# KiCad board HPPSI02.kicad_pcb (continued)
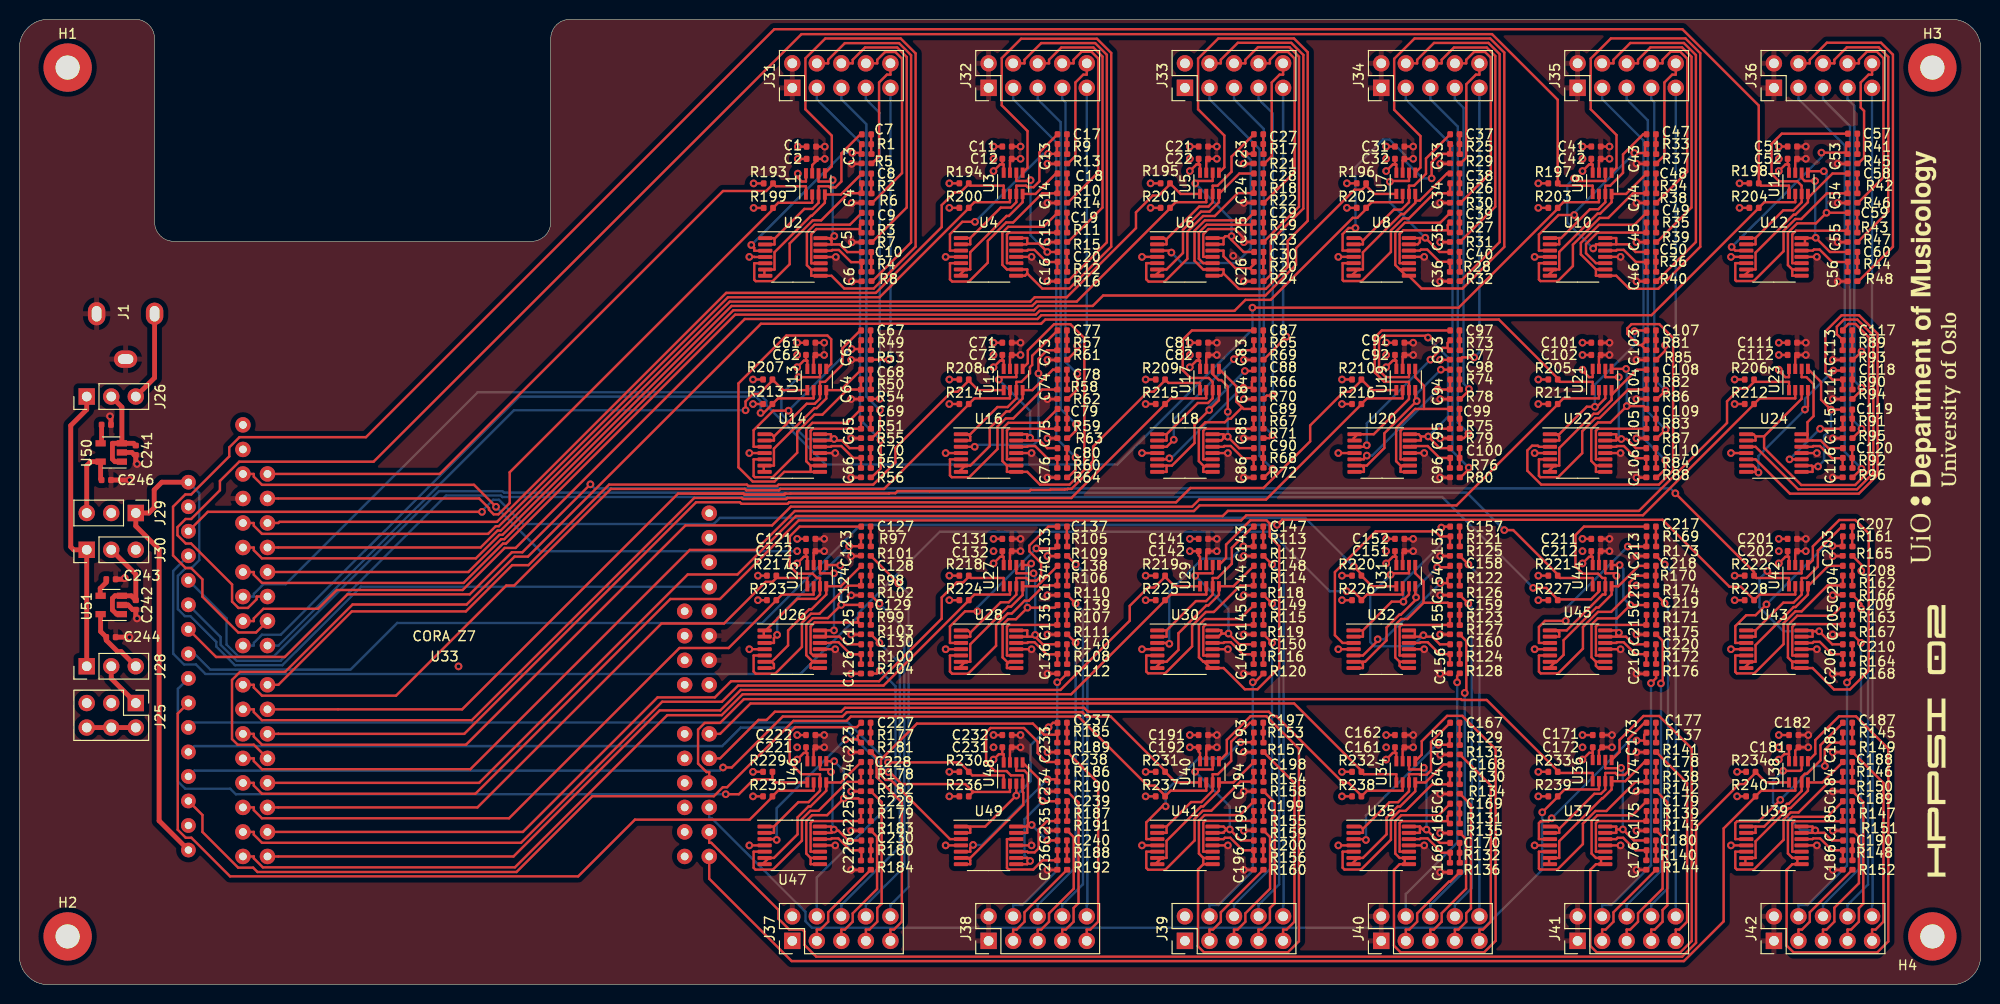
[diagram p0: board, top side]
## Nets (continued)
Net-(C233-Pad1): C233.1 R185.2 U49.3
Net-(C234-Pad1): C234.1 R186.2 U49.5
Net-(C235-Pad1): C235.1 R187.2 U49.10
Net-(C236-Pad1): C236.1 R188.2 U49.12
Net-(C237-Pad1): C237.1 U48.3 U49.1 U49.2
Net-(C237-Pad2): C237.2 R185.1 R189.2
Net-(C238-Pad1): C238.1 U48.4 U49.6 U49.7
Net-(C238-Pad2): C238.2 R186.1 R190.2
Net-(C239-Pad1): C239.1 U48.5 U49.8 U49.9
Net-(C239-Pad2): C239.2 R187.1 R191.2
Net-(C240-Pad1): C240.1 U48.6 U49.13 U49.14
Net-(C240-Pad2): C240.2 R188.1 R192.2
Net-(C241-Pad1): C241.1 J26.2 U50.1 U50.3
Net-(C242-Pad1): C242.1 J30.2 U51.1 U51.3
Net-(C243-Pad1): C243.1 U51.4
Net-(C245-Pad1): C245.1 U50.4
Net-(J33-Pad1): J33.1
Net-(J33-Pad2): J33.2
Net-(J39-Pad1): J39.1
Net-(J39-Pad2): J39.2
Net-(U33-Pad16): U33.16
Net-(U33-Pad35): U33.35
Net-(U33-Pad36): U33.36
Net-(U33-Pad37): U33.37
Net-(U33-Pad38): U33.38
Net-(U33-Pad39): U33.39
Net-(U33-Pad40): U33.40
Net-(U33-Pad41): U33.41
Net-(U33-Pad42): U33.42
Net-(U33-Pad43): U33.43
Net-(U33-Pad44): U33.44
Net-(U33-Pad51): U33.51

Pads without a net: H1 1; H2 1; H3 1; H4 1; U33 17 18 56 57 58

## Via types
v1: diameter 0.8, hole 0.4, Top to Bottom, 509 vias

## Routing (per net, layer and track width the routed paths; a pad name or vN(x,y) marks a point on that pad's centre or on a via; arc(x,y) is an arc through that point)
3V3_CoraZ7: length 120.9
  Top w0.5: U33.74 14.75,52.05 13.96,51.26 13.96,49.42 13.41,48.86 J29.1 12.05,47.51 14.47,45.1 14.47,16.98 U33.59
  Bottom w0.25: U33.55 35.36,41.22 27.23,33.09 22.31,33.09 20.39,35.02 20.39,35.5 17.71,38.18 17.13,38.18 16.41,38.9 16.41,42.35 17.22,43.16 17.81,43.16 18.63,43.98 18.63,50.92 U33.74
3V3_Reg: length 8.5
  Top w0.5: C246.1 8.41,52.38 U50.5 7.38,54.18 6.98,53.77 J29.3
5V_CoraZ7: length 99.5
  Top w0.5: J26.1 6.98,59.58 5.32,57.92 5.32,45.35 5.62,45.05 J30.1 J28.1
  In1.Cu w0.5: U33.54 69.5,40.59 66.28,40.59 58.66,32.97 v1(45.46,32.97)
  In2.Cu w0.5: J28.1 8.27,31.69 15.66,31.69 16.95,32.97 v1(45.46,32.97)
5V_Reg: length 7.1
  Top w0.5: J28.3 10.54,34.5 10.18,34.5 9,35.68 C244.1 8.41,36.58 U51.5
+3V3: length 138.6
  Top w0.25: U17.8 122.2,64.65 122.06,64.65 ; U36.8 162.84,24.02 ; 162.84,24.02 162.49,24.02 v1(161.79,23.32) ; 162.84,24.02 162.84,24.58 C172.1 ; 142.38,44.33 C151.1 ; 142.38,44.33 142.15,44.33 v1(141.47,43.64) ; 142.38,44.33 142.52,44.33 U31.8 ; v1(121.15,63.96) 121.83,64.65 122.06,64.65 ; v1(182.11,65.23) C112.1 ; v1(96.26,39.83) R224.1 ; v1(157.22,19.51) R239.1 ; 183.16,23.89 183.16,24.58 C181.1 ; 183.16,23.89 182.68,23.89 v1(182.11,23.32) ; 183.16,23.89 U38.8 ; U11.8 183.16,84.97 183.02,84.97 ; 142.38,84.97 142.15,84.97 v1(141.47,84.28) ; 142.38,84.97 142.52,84.97 U7.8 ; 142.38,84.97 C32.1 ; v1(76.44,39.83) R223.1 ; U48.8 101.88,23.88 101.74,23.88 ; v1(137.4,83.01) R196.1 ; 81.42,64.65 81.19,64.65 v1(80.51,63.96) ; 81.42,64.65 C62.1 ; 81.42,64.65 81.56,64.65 U13.8 ; v1(121.15,44.91) C142.1 122.06,44.47 122.2,44.33 U29.8 ; 81.42,44.33 81.56,44.33 U25.8 ; 81.42,44.33 C122.1 ; 81.42,44.33 81.19,44.33 v1(80.51,43.64) ; 183.02,44.33 183.16,44.33 U42.8 ; 183.02,44.33 C202.1 ; 183.02,44.33 182.79,44.33 v1(182.11,43.64) ; v1(141.47,63.96) 142.15,64.65 142.38,64.65 ; v1(177.54,62.69) R206.1 ; v1(117.08,80.47) R201.1 ; v1(96.26,19.51) R236.1 ; U5.8 122.2,84.97 122.06,84.97 ; v1(121.15,66.5) C81.1 ; 162.7,44.33 162.47,44.33 v1(161.79,43.64) ; 162.7,44.33 162.84,44.33 U44.8 ; 162.7,44.33 C212.1 ; v1(100.83,63.96) 101.51,64.65 101.74,64.65 ; 142.38,64.65 142.52,64.65 U19.8 ; 142.38,64.65 C92.1 ; v1(116.58,42.37) 117.62,42.37 ; v1(157.22,62.69) R205.1 ; 122.06,84.97 121.83,84.97 v1(121.15,84.28) ; 122.06,84.97 C22.1 ; 81.42,24.01 C221.1 ; 81.42,24.01 81.19,24.01 v1(80.51,23.32) ; 81.42,24.01 81.56,24.01 U46.8 ; v1(136.9,62.69) 137.94,62.69 ; 183.02,84.97 182.79,84.97 v1(182.11,84.28) ; 183.02,84.97 C52.1 ; v1(100.83,25.86) C232.1 ; v1(80.57,85.54) C2.1 ; 101.74,84.97 C12.1 ; 101.74,84.97 101.51,84.97 v1(100.83,84.28) ; 101.74,84.97 101.88,84.97 U3.8 ; v1(80.51,46.18) C121.1 ; v1(96.26,83.01) R194.1 ; 101.74,23.88 101.39,23.88 v1(100.83,23.32) ; 101.74,23.88 C231.1 ; v1(161.79,25.86) C171.1 ; v1(121.15,25.86) C191.1 ; v1(136.9,39.83) 137.94,39.83 ; 101.74,64.65 101.88,64.65 U15.8 ; 101.74,64.65 C72.1 ; v1(178.04,80.47) R204.1 ; 101.74,44.33 C132.1 ; 101.74,44.33 101.88,44.33 U27.8 ; 101.74,44.33 101.51,44.33 v1(100.83,43.64) ; v1(116.58,19.51) 117.62,19.51 ; U1.8 81.41,83.19 80.98,83.19 80.57,83.6 v1(80.57,84.02) ; 162.7,84.97 162.47,84.97 v1(161.79,84.28) ; 162.7,84.97 C42.1 ; 162.7,84.97 162.84,84.97 U9.8 ; v1(136.9,42.37) 137.94,42.37 ; v1(136.9,22.05) 137.94,22.05 ; v1(141.47,46.18) C152.1 ; U21.8 162.84,62.93 162.46,62.93 161.79,63.61 v1(161.79,63.71) ; v1(177.54,60.15) R212.1 ; v1(100.83,86.82) C11.1 ; v1(141.47,86.82) C31.1 ; v1(136.9,60.15) 137.94,60.15 ; v1(80.51,25.86) C222.1 ; v1(177.54,42.37) R222.1 ; v1(182.11,46.18) C201.1 ; v1(137.4,80.47) R202.1 ; v1(100.83,66.5) C71.1 ; v1(96.26,62.69) R208.1 ; v1(178.04,83.01) R198.1 ; v1(116.58,60.15) 117.62,60.15 ; v1(157.22,80.47) R203.1 ; v1(182.11,63.71) 182.11,63.61 182.78,62.93 183.16,62.93 U23.8 ; v1(177.54,39.83) R228.1 ; v1(80.57,86.81) C1.1 ; v1(76.44,42.37) R217.1 ; v1(116.58,39.83) 117.62,39.83 ; v1(96.26,80.47) R200.1 ; v1(96.26,60.15) R214.1 ; v1(96.26,22.05) R230.1 ; v1(75.94,22.05) R229.1 ; v1(121.15,46.18) C141.1 ; v1(116.58,62.69) 117.62,62.69 ; U40.8 122.2,24.01 122.06,24.15 C192.1 v1(121.15,24.59) ; v1(75.94,60.15) R213.1 ; v1(182.11,66.5) C111.1 ; 122.06,64.65 C82.1 ; 142.38,24.01 142.52,24.01 U34.8 ; 142.38,24.01 142.15,24.01 v1(141.47,23.32) ; 142.38,24.01 C161.1 ; v1(116.58,22.05) 117.62,22.05 ; v1(76,80.46) R199.1 ; v1(182.11,25.86) C182.1 ; v1(157.22,83.01) R197.1 ; v1(157.22,39.83) R227.1 ; v1(141.47,25.86) C162.1 ; v1(177.79,19.51) R240.1 ; v1(141.47,66.5) C91.1 ; v1(80.51,66.5) C61.1 ; v1(157.22,22.05) R233.1 ; v1(161.79,46.18) C211.1 ; v1(121.15,86.82) C21.1 ; v1(136.9,19.51) 137.94,19.51 ; v1(161.79,65.23) C102.1 ; v1(161.79,66.5) C101.1 ; v1(182.11,86.82) C51.1 ; v1(100.83,46.18) C131.1 ; v1(76,83) R193.1 ; v1(75.94,62.69) R207.1 ; v1(117.08,83.01) R195.1 ; v1(161.79,86.82) C41.1 ; v1(177.79,22.05) R234.1 ; v1(75.94,19.51) R235.1 ; v1(157.22,42.37) R221.1 ; v1(157.22,60.15) R211.1 ; v1(96.26,42.37) R218.1
  vias: v1(80.51,65.23) v1(80.51,24.59) v1(100.83,85.55) v1(100.83,65.23) v1(100.83,44.91) v1(100.83,24.59) v1(121.15,85.55) v1(121.15,65.23) v1(141.47,85.55) v1(141.47,65.23) v1(141.47,44.91) v1(141.47,24.59) v1(161.79,85.55) v1(161.79,44.91) v1(161.79,24.59) v1(182.11,85.55) v1(182.11,44.91) v1(182.11,24.59)
+5V: length 4.9
  Top w0.5: J25.1 9.52,31.72 J28.2
GND: length 232.7
  Top w0.25: C75.2 107.41,56.59 v1(106.42,56.59) ; C5.2 87.15,76.9 v1(86.16,76.9) ; v1(123.94,66.5) C81.2 ; v1(144.26,46.18) C152.2 ; v1(84.44,34.75) 82.95,34.75 ; C33.2 148.03,85.04 v1(147.06,85.04) ; U36.7 163.49,24.26 C172.2 v1(164.84,24.59) ; v1(106.42,20.02) 107.39,20.02 C234.2 ; v1(83.3,65.23) C62.2 82.21,65.05 U13.7 ; v1(103.62,46.18) C131.2 ; v1(187.7,36.27) 188.69,36.27 C205.2 ; v1(126.74,56.59) 127.73,56.59 C85.2 ; C53.2 189.2,85.04 v1(188.2,85.04) ; C215.2 168.37,36.27 v1(167.38,36.27) ; C145.2 127.73,36.27 v1(126.74,36.27) ; v1(125.09,14.43) 123.59,14.43 ; v1(186.04,55.07) 184.55,55.07 ; C236.2 107.41,11.89 v1(106.42,11.89) ; v1(188.2,80.98) 189.2,80.98 C54.2 ; v1(184.9,85.55) C52.2 183.81,85.37 U11.7 ; C116.2 188.69,52.53 v1(187.7,52.53) ; v1(187.7,32.21) C206.2 ; v1(187.7,24.08) 188.69,24.08 C183.2 ; C6.2 87.15,72.84 v1(86.16,72.84) ; C233.2 107.41,24.08 v1(106.42,24.08) ; v1(144.26,25.86) C162.2 ; C3.2 87.13,85.03 v1(86.16,85.03) ; v1(126.74,32.21) 127.73,32.21 C146.2 ; C86.2 127.73,52.53 v1(126.74,52.53) ; v1(86.1,60.66) 87.09,60.66 C64.2 ; C224.2 87.09,20.02 v1(86.1,20.02) ; v1(106.42,52.53) 107.41,52.53 C76.2 ; v1(86.1,52.53) 87.09,52.53 C66.2 ; C216.2 168.37,32.21 v1(167.38,32.21) ; v1(106.42,15.95) 107.41,15.95 C235.2 ; v1(126.74,20.02) 127.71,20.02 C194.2 ; v1(187.7,20.02) 188.69,20.02 C184.2 ; v1(147.06,40.34) 148.05,40.34 C154.2 ; v1(126.74,11.89) 127.73,11.89 C196.2 ; v1(123.94,65.23) C82.2 122.85,65.05 U17.7 ; v1(164.58,66.5) C101.2 ; v1(106.42,60.66) 107.41,60.66 C74.2 ; v1(167.38,64.72) 168.35,64.72 C103.2 ; v1(165.72,55.07) 164.23,55.07 ; v1(147.06,15.7) 148.05,15.7 C165.2 ; v1(144.26,85.55) C32.2 143.17,85.37 U7.7 ; U46.7 82.21,24.41 C221.2 v1(83.3,24.59) ; C106.2 168.37,52.53 v1(167.38,52.53) ; U19.7 143.17,65.05 C92.2 v1(144.26,65.23) ; U42.7 183.81,44.73 C202.2 v1(184.9,44.91) ; C135.2 107.41,36.27 v1(106.42,36.27) ; U23.7 183.81,65.05 C112.2 v1(184.9,65.23) ; v1(164.58,85.55) C42.2 163.49,85.37 U9.7 ; v1(123.94,85.55) C22.2 122.85,85.37 U5.7 ; v1(164.58,65.23) C102.2 163.49,65.05 U21.7 ; C44.2 168.37,80.98 v1(167.38,80.98) ; C15.2 107.41,76.91 v1(106.42,76.91) ; v1(126.74,24.08) 127.73,24.08 C193.2 ; v1(125.09,55.07) 123.59,55.07 ; v1(86.1,36.27) 87.09,36.27 C125.2 ; v1(185.16,25.86) C182.2 ; C204.2 187.74,40.38 v1(187.7,40.34) ; 123.59,75.39 122.53,75.39 122.53,77.73 123.08,78.27 125.8,78.27 126.74,77.34 126.74,76.94 ; v1(84.44,55.07) 82.95,55.07 ; v1(187.7,64.72) 188.69,64.72 C113.2 ; C163.2 148.05,23.83 v1(147.06,23.83) ; C124.2 87.09,40.34 v1(86.1,40.34) ; C16.2 107.41,72.85 v1(106.42,72.85) ; v1(145.41,14.43) 143.91,14.43 ; v1(167.38,41.35) 168.37,41.35 C214.2 ; C36.2 148.05,72.85 v1(147.06,72.85) ; v1(167.38,15.95) 168.37,15.95 C175.2 ; C94.2 148.05,60.66 v1(147.06,60.66) ; C104.2 168.37,60.66 v1(167.38,60.66) ; v1(147.06,11.64) 148.05,11.64 C166.2 ; C203.2 188.69,44.4 v1(187.7,44.4) ; v1(126.74,72.85) 127.73,72.85 C26.2 ; C46.2 168.37,72.85 v1(167.38,72.85) ; v1(126.74,64.72) 127.73,64.72 C83.2 ; v1(106.42,32.21) 107.41,32.21 C136.2 ; v1(167.38,20.02) 168.37,20.02 C174.2 ; v1(86.1,11.89) C226.2 ; U15.7 102.53,65.05 C72.2 v1(103.62,65.23) ; v1(144.26,24.59) C161.2 143.17,24.41 U34.7 ; C156.2 148.03,32.21 v1(147.06,32.21) ; v1(86.1,15.95) 87.09,15.95 C225.2 ; v1(126.74,15.95) 127.71,15.95 C195.2 ; U40.7 122.85,24.41 C192.2 v1(123.94,24.59) ; U48.7 102.53,24.41 C231.2 v1(103.62,24.59) ; v1(147.06,76.91) 148.05,76.91 C35.2 ; C63.2 87.09,64.72 v1(86.1,64.72) ; C115.2 188.69,56.59 v1(187.7,56.59) ; v1(147.06,64.72) 148.05,64.72 C93.2 ; C65.2 87.09,56.59 v1(86.1,56.59) ; v1(184.9,86.82) C51.2 ; v1(106.42,85.04) 107.41,85.04 C13.2 ; v1(167.38,24.08) 168.37,24.08 C173.2 ; v1(167.38,11.89) 168.37,11.89 C176.2 ; v1(147.06,80.98) 148.05,80.98 C34.2 ; v1(126.74,76.91) 126.74,76.94 ; 126.74,76.94 C25.2 ; C14.2 107.41,80.98 v1(106.42,80.98) ; v1(103.62,86.82) C11.2 ; C143.2 127.73,44.4 v1(126.74,44.4) ; v1(165.72,14.43) 164.23,14.43 ; v1(86.1,24.08) 87.09,24.08 C223.2 ; C73.2 107.41,64.72 v1(106.42,64.72) ; v1(164.58,44.91) C212.2 163.49,44.73 U44.7 ; U38.7 183.81,24.25 184.14,24.58 C181.2 v1(185.16,24.59) ; v1(126.74,85.04) 127.73,85.04 C23.2 ; C133.2 107.41,44.4 v1(106.42,44.4) ; v1(186.04,14.43) 184.55,14.43 ; v1(188.2,76.91) 189.2,76.91 C55.2 ; v1(126.74,60.66) 127.73,60.66 C84.2 ; C95.2 148.05,56.59 v1(147.06,56.59) ; v1(187.7,60.66) 188.69,60.66 C114.2 ; C155.2 148.05,36.27 v1(147.06,36.27) ; v1(123.94,86.82) C21.2 ; U3.7 102.53,85.37 C12.2 v1(103.62,85.55) ; v1(147.06,19.76) 148.05,19.76 C164.2 ; v1(126.74,80.98) 127.71,80.98 C24.2 ; C96.2 148.05,52.53 v1(147.06,52.53) ; v1(144.26,66.5) C91.2 ; C123.2 87.07,44.4 v1(86.1,44.4) ; v1(187.7,11.89) 188.69,11.89 C186.2 ; C105.2 168.37,56.59 v1(167.38,56.59) ; v1(104.76,55.07) 103.27,55.07 ; v1(167.38,44.4) 168.37,44.4 C213.2 ; v1(126.74,40.34) 127.73,40.34 C144.2 ; v1(83.37,85.54) C2.2 82.45,85.3 82.06,84.9 U1.7 ; v1(184.9,46.18) C201.2 ; v1(164.58,46.18) C211.2 ; U31.7 143.17,44.73 C151.2 v1(144.26,44.91) ; v1(144.26,86.82) C31.2 ; v1(145.41,75.39) 143.91,75.39 ; C134.2 107.39,40.34 v1(106.42,40.34) ; U29.7 122.85,44.73 C142.2 v1(123.94,44.91) ; v1(188.2,72.85) 189.2,72.85 C56.2 ; v1(167.38,85.04) 168.37,85.04 C43.2 ; v1(145.41,34.75) 143.91,34.75 ; v1(104.76,34.75) 103.27,34.75 ; v1(165.72,34.75) 164.23,34.75 ; v1(104.76,14.43) 103.27,14.43 ; v1(186.04,75.39) 184.55,75.39 ; v1(83.3,44.91) C122.2 82.21,44.73 U25.7 ; v1(184.9,66.5) C111.2 ; v1(83.3,46.18) C121.2 ; v1(147.06,44.4) 148.05,44.4 C153.2 ; v1(187.7,15.95) 188.69,15.95 C185.2 ; v1(84.44,14.43) 82.95,14.43 ; v1(125.09,34.75) 123.59,34.75 ; v1(83.37,86.81) C1.2 ; v1(145.41,55.07) 144.01,55.07 ; v1(103.62,66.5) C71.2 ; v1(123.94,25.86) C191.2 ; v1(123.94,46.18) C141.2 ; v1(103.62,25.86) C232.2 ; v1(167.38,76.91) 168.37,76.91 C45.2 ; v1(165.72,75.39) 164.23,75.39 ; v1(104.76,75.39) 103.27,75.39 ; v1(103.62,44.91) C132.2 102.53,44.73 U27.7 ; C126.2 87.09,32.21 v1(86.1,32.21) ; v1(164.84,25.86) C171.2 ; C4.2 87.13,80.97 v1(86.16,80.97) ; v1(83.3,25.86) C222.2 ; v1(164.58,86.82) C41.2 ; v1(186.04,34.75) 184.55,34.75 ; v1(83.3,66.5) C61.2 ; v1(84.51,75.38) 83.01,75.38
  Top w0.5: v1(9.39,58.88) 9.48,58.78 C245.2 ; v1(12.18,37.94) 12.05,38.06 C242.2 11.73,38.85 11.25,39.33 U51.2 ; v1(10.91,42.12) 10.8,42 C243.2 ; v1(12.18,53.94) 12.05,54.07 C241.2 11.9,54.88 11.65,55.13 U50.2 ; C246.2 v1(11.42,52.28) ; C244.2 v1(11.4,36)
  vias: v1(125.63,75.5)
VDD_Filters: length 648.1
  Top w0.25: 138.01,14.43 v1(136.51,14.43) ; v1(156.84,55.07) 158.33,55.07 ; 117.69,14.43 v1(116.19,14.43) ; 178.65,14.43 v1(177.16,14.43) ; 97.37,14.43 v1(95.88,14.43) ; v1(116.19,75.39) 117.69,75.39 ; 77.05,14.43 v1(75.56,14.43) ; 77.05,34.75 v1(75.56,34.75) ; 138.01,75.39 v1(136.51,75.39) ; v1(156.84,14.43) 158.33,14.43 ; v1(75.56,75.39) 76.05,75.39 76.06,75.38 77.11,75.38 ; 117.69,55.07 v1(116.19,55.07) ; 138.11,55.07 v1(136.51,55.07) ; v1(95.88,75.39) 97.37,75.39 ; 158.33,34.75 v1(156.84,34.75) ; 178.65,75.39 v1(177.16,75.39) ; 97.37,34.75 v1(95.88,34.75) ; 117.69,34.75 v1(116.19,34.75) ; 178.65,34.75 v1(177.16,34.75) ; 178.65,55.07 v1(177.16,55.07) ; 138.01,34.75 v1(136.51,34.75) ; 158.33,75.39 v1(156.84,75.39) ; 77.05,55.07 v1(75.56,55.07) ; 97.37,55.07 v1(95.88,55.07)
  Top w0.5: 12.05,26.64 6.98,26.64
  In2.Cu w0.25: 135.33,75.39 135.33,71.86 135.25,71.78
  In2.Cu w0.5: 94.6,55.07 94.6,75.39 v1(95.88,75.39) ; 94.6,55.07 v1(95.88,55.07) ; 94.6,55.07 94.6,34.75 ; 114.93,9.98 135.25,9.98 ; 114.93,9.98 114.93,14.43 ; 114.93,9.98 94.6,9.98 ; 135.25,9.98 154.93,9.98 ; 135.25,9.98 135.25,14.43 ; 155.56,9.98 175.88,9.98 175.88,14.43 ; 155.56,9.98 154.93,9.98 ; 155.56,9.98 154.93,9.98 ; 155.56,9.98 155.56,14.43 ; v1(136.51,34.75) 135.25,34.75 ; 135.25,34.75 135.25,55.07 ; 135.25,34.75 135.25,14.43 ; v1(116.19,55.07) 114.93,55.07 ; 114.93,55.07 114.93,53.72 ; 114.93,55.07 114.93,75.39 v1(116.19,75.39) ; 135.25,55.07 v1(136.51,55.07) ; 135.25,55.07 135.25,75.39 ; v1(177.16,34.75) 175.88,34.75 ; 175.88,34.75 175.88,14.43 ; 175.88,34.75 175.88,55.07 ; 114.93,53.17 114.93,53.72 ; 114.93,53.17 114.93,53.72 ; 114.93,53.17 114.93,34.75 ; v1(177.16,75.39) 175.88,75.39 175.88,55.07 ; 114.93,14.43 114.93,34.75 ; 114.93,14.43 v1(116.19,14.43) ; 114.93,34.75 v1(116.19,34.75) ; 74.28,9.98 74.28,14.43 ; 74.28,9.98 13.96,9.98 12.05,11.89 12.05,26.64 ; 74.28,9.98 94.6,9.98 ; 74.28,14.43 v1(75.56,14.43) ; 74.28,14.43 74.28,34.75 ; v1(95.88,34.75) 94.6,34.75 ; 94.6,34.75 94.6,14.43 ; v1(136.51,14.43) 135.25,14.43 ; v1(177.16,55.07) 175.88,55.07 ; 94.6,9.98 94.6,14.43 ; 175.88,14.43 v1(177.16,14.43) ; 155.56,55.07 155.56,34.75 ; 155.56,55.07 155.56,75.39 v1(156.84,75.39) ; 155.56,55.07 v1(156.84,55.07) ; 155.56,34.75 155.56,14.43 ; 155.56,34.75 v1(156.84,34.75) ; v1(95.88,14.43) 94.6,14.43 ; 155.56,14.43 v1(156.84,14.43) ; v1(75.56,75.39) 74.28,75.39 74.28,55.07 ; 74.28,34.75 74.28,55.07 ; 74.28,34.75 v1(75.56,34.75) ; 74.28,55.07 v1(75.56,55.07) ; 135.33,75.39 v1(136.51,75.39)
VIN1_0: length 36.5
  Top w0.25: R8.1 88.29,72.89 92.3,76.89 92.3,96.28 91.05,97.53 85.44,97.53 83.72,95.81 83.72,95.44 J31.4
VIN1_1: length 36.5
  Top w0.25: J32.4 104.04,95.44 104.04,95.81 105.76,97.54 111.35,97.54 112.56,96.32 112.56,76.9 108.54,72.87 R16.1
VIN1_2: length 36.5
  Top w0.25: R24.1 128.87,72.87 129.52,73.53 129.52,77.02 132.9,80.4 132.9,96.31 131.64,97.56 126.11,97.56 124.36,95.81 124.36,95.44 J33.4
VIN1_3: length 36.6
  Top w0.25: R32.1 149.16,72.87 153.21,76.92 153.21,96.39 152.05,97.55 146.42,97.55 144.68,95.81 144.68,95.44 J34.4
VIN1_4: length 36.5
  Top w0.25: R40.1 169.47,72.87 173.53,76.93 173.53,96.3 172.28,97.54 166.73,97.54 165,95.81 165,95.44 J35.4
VIN1_5: length 36.4
  Top w0.25: R48.1 190.35,72.87 193.92,76.44 193.92,96.34 192.68,97.57 187.08,97.57 185.32,95.81 185.32,95.44 J36.4
VIN1_6: length 43.6
  Top w0.25: v1(89.14,56.42) 89.14,53.47 88.22,52.55 R56.1
  Bottom w0.25: J31.3 82.54,91.72 87.01,87.25 87.01,58.55 v1(89.14,56.42)
VIN1_7: length 43.4
  Top w0.25: R64.1 108.55,52.55 109.32,53.33 v1(109.32,54.61)
  Bottom w0.25: v1(109.32,54.61) 107.32,56.61 107.32,87.26 102.86,91.72 J32.3
VIN1_8: length 43.5
  Top w0.25: v1(129.71,53.42) 128.87,52.58 R72.1
  Bottom w0.25: v1(129.71,53.42) 128.35,54.78 128.35,86.55 123.18,91.72 J33.3
VIN1_9: length 43.5
  Top w0.25: R80.1 149.18,52.55 150.02,53.39 v1(150.02,53.56)
  Bottom w0.25: v1(150.02,53.56) 148.33,55.26 148.33,86.9 143.5,91.72 J34.3
VIN1_10: length 43.5
  Top w0.25: v1(170.36,54.32) 170.36,53.41 169.5,52.55 R88.1
  Bottom w0.25: J35.3 163.82,91.72 168.1,87.44 168.1,56.59 v1(170.36,54.32)
VIN1_11: length 43.5
  Top w0.25: v1(190.66,53.45) 189.77,52.55 R96.1
  Bottom w0.25: v1(190.66,53.45) 188.93,55.18 188.93,86.94 184.14,91.72 J36.3
VIN1_12: length 30.6
  Top w0.25: v1(89.06,32.54) 88.75,32.23 R104.1
  Bottom w0.25: J37.4 82.54,11.11 90.69,19.26 90.69,30.91 v1(89.06,32.54)
VIN1_13: length 28.1
  Top w0.25: v1(107.42,31.33) 107.55,31.33 R112.1
  Bottom w0.25: J38.4 102.86,8.26 103.81,8.26 107.42,11.86 v1(107.42,31.33)
VIN1_14: length 28.1
  Top w0.25: v1(127.66,31.33) 127.87,31.33 R120.1
  Bottom w0.25: J39.4 123.18,8.26 124.13,8.26 127.66,11.79 v1(127.66,31.33)
VIN1_15: length 27.5
  Top w0.25: v1(148.81,31.32) 148.81,31.98 R128.1
  Bottom w0.25: J40.4 143.5,9.39 148.81,14.7 v1(148.81,31.32)
VIN1_16: length 28
  Top w0.25: R176.1 169.41,31.76 v1(168.88,31.24)
  Bottom w0.25: v1(168.88,31.24) 168.88,12.36 164.77,8.26 163.82,8.26 J41.4
VIN1_17: length 28
  Top w0.25: v1(189.16,31.31) 189.73,31.87 R168.1
  Bottom w0.25: v1(189.16,31.31) 189.16,12.32 185.09,8.26 184.14,8.26 J42.4
VIN1_18: length 9.9
  Top w0.25: R184.1 83.72,7.5 83.72,6.52 82.91,5.72 82.54,5.72 J37.3
VIN1_19: length 9.9
  Top w0.25: R192.1 104.04,7.5 104.04,6.52 103.23,5.72 102.86,5.72 J38.3
VIN1_20: length 9.9
  Top w0.25: R160.1 124.36,7.5 124.36,6.52 123.55,5.72 123.18,5.72 J39.3
VIN1_21: length 9.7
  Top w0.25: J40.3 143.5,5.72 143.87,5.72 144.68,6.52 144.68,7.38 147.97,10.68 148.11,10.68 R136.1
VIN1_22: length 9.9
  Top w0.25: R144.1 165,7.5 165,6.52 164.19,5.72 163.82,5.72 J41.3
VIN1_23: length 9.9
  Top w0.25: R152.1 185.32,7.5 185.32,6.52 184.51,5.72 184.14,5.72 J42.3
VIN2_0: length 28.8
  Top w0.25: R7.1 88.27,76.93 91.85,80.51 91.85,96.1 90.86,97.08 87.53,97.08 86.26,95.81 86.26,95.44 J31.6
VIN2_1: length 28.8
  Top w0.25: R15.1 108.54,76.94 112.11,80.5 112.11,96.14 111.16,97.09 107.85,97.09 106.58,95.81 106.58,95.44 J32.6
VIN2_2: length 28.8
  Top w0.25: J33.6 126.9,95.44 126.9,95.81 128.2,97.11 131.45,97.11 132.45,96.12 132.45,80.59 128.79,76.94 R23.1
VIN2_3: length 28.8
  Top w0.25: J34.6 147.22,95.44 147.22,95.81 148.48,97.08 151.88,97.08 152.76,96.2 152.76,80.59 149.13,76.96 R31.1
VIN2_4: length 28.8
  Top w0.25: R39.1 169.5,76.94 173.07,80.51 173.07,96.11 172.09,97.09 168.82,97.09 167.54,95.81 167.54,95.44 J35.6
VIN2_5: length 28.6
  Top w0.25: J36.6 187.86,95.44 187.86,95.81 189.14,97.1 192.44,97.1 193.43,96.1 193.43,80.1 190.28,76.94 R47.1
VIN2_6: length 38.4
  Top w0.25: v1(89.07,59.52) 89.07,57.44 88.25,56.62 R55.1
  Bottom w0.25: v1(89.07,59.52) 87.67,60.92 87.67,89.14 85.08,91.72 J31.5
VIN2_7: length 38.4
  Top w0.25: R63.1 108.58,56.62 109.37,57.4 v1(109.37,58.05)
  Bottom w0.25: v1(109.37,58.05) 107.77,59.65 107.77,89.35 105.4,91.72 J32.5
VIN2_8: length 38.7
  Top w0.25: v1(129.71,56.93) 129.4,56.62 R71.1
  Bottom w0.25: J33.5 125.72,91.72 128.8,88.64 128.8,57.83 v1(129.71,56.93)
VIN2_9: length 38.5
  Top w0.25: v1(149.99,57.11) 149.5,56.62 R79.1
  Bottom w0.25: v1(149.99,57.11) 148.88,58.21 148.88,88.88 146.04,91.72 J34.5
VIN2_10: length 38.4
  Top w0.25: R87.1 169.5,56.62 v1(170.38,57.5)
  Bottom w0.25: v1(170.38,57.5) 168.55,59.33 168.55,89.53 166.36,91.72 J35.5
VIN2_11: length 38.3
  Top w0.25: R95.1 189.75,56.62 190.67,57.54 v1(190.67,57.58)
  Bottom w0.25: J36.5 186.68,91.72 189.47,88.93 189.47,58.78 v1(190.67,57.58)
VIN2_12: length 33
  Top w0.25: v1(89.02,35.4) R103.1
  Bottom w0.25: J37.6 85.08,8.26 91.14,14.31 91.14,33.29 v1(89.02,35.4)
VIN2_13: length 31.2
  Top w0.25: R111.1 v1(109.33,35.42)
  Bottom w0.25: J38.6 105.4,8.26 109.33,12.18 v1(109.33,35.42)
VIN2_14: length 31.2
  Top w0.25: v1(129.65,35.41) R119.1
  Bottom w0.25: J39.6 125.72,8.26 129.65,12.19 v1(129.65,35.41)
VIN2_15: length 31
  Top w0.25: v1(149.6,30.22) 149.77,30.38 149.77,35.6 R127.1
  Bottom w0.25: v1(149.6,30.22) 149.6,11.82 146.04,8.26 J40.6
VIN2_16: length 31
  Top w0.25: v1(169.91,31.21) 170.1,31.4 170.1,35.61 R175.1
  Bottom w0.25: J41.6 166.36,8.26 169.91,11.8 v1(169.91,31.21)
VIN2_17: length 31.2
  Top w0.25: v1(190.61,35.41) R167.1
  Bottom w0.25: v1(190.61,35.41) 190.61,12.19 186.68,8.26 J42.6
VIN2_18: length 13.5
  Top w0.25: R183.1 88.78,15.33 88.78,9.91 86.26,7.39 86.26,6.52 85.45,5.72 85.08,5.72 J37.5
VIN2_19: length 13.5
  Top w0.25: R191.1 109.13,15.29 109.13,9.94 106.58,7.39 106.58,6.52 105.77,5.72 105.4,5.72 J38.5
VIN2_20: length 13.5
  Top w0.25: J39.5 125.72,5.72 126.09,5.72 126.9,6.52 126.9,7.39 129.45,9.94 129.45,15.29 R159.1
VIN2_21: length 13.2
  Top w0.25: R135.1 149.74,15.07 149.74,9.93 147.22,7.41 147.22,6.52 146.41,5.72 146.04,5.72 J40.5
VIN2_22: length 13.5
  Top w0.25: J41.5 166.36,5.72 166.73,5.72 167.54,6.52 167.54,7.41 170.08,9.95 170.08,15.31 R143.1
VIN2_23: length 13.5
  Top w0.25: J42.5 186.68,5.72 187.05,5.72 187.86,6.52 187.86,7.97 190.4,10.52 190.4,15.31 R151.1
VIN3_0: length 21
  Top w0.25: R6.1 88.28,80.99 91.36,84.07 91.36,95.92 90.67,96.62 89.6,96.62 88.8,95.81 88.8,95.44 J31.8
VIN3_1: length 21
  Top w0.25: J32.8 109.12,95.44 109.12,95.81 109.94,96.63 110.98,96.63 111.66,95.95 111.66,84.13 108.52,81 R14.1
VIN3_2: length 21
  Top w0.25: R22.1 128.82,81 132,84.18 132,95.93 131.31,96.62 130.25,96.62 129.44,95.81 129.44,95.44 J33.8
VIN3_3: length 21.1
  Top w0.25: R30.1 149.18,81 152.3,84.11 152.3,96.03 151.7,96.62 150.57,96.62 149.76,95.81 149.76,95.44 J34.8
VIN3_4: length 21
  Top w0.25: R38.1 169.43,81 172.62,84.2 172.62,95.93 171.91,96.64 170.91,96.64 170.08,95.81 170.08,95.44 J35.8
VIN3_5: length 20.8
  Top w0.25: J36.8 190.4,95.44 190.4,95.81 191.23,96.65 192.26,96.65 192.94,95.97 192.94,83.62 190.32,81 R46.1
VIN3_6: length 33.7
  Top w0.25: v1(89.05,60.68) R54.1
  Bottom w0.25: v1(89.05,60.68) 89.05,90.29 87.62,91.72 J31.7
VIN3_7: length 33.3
  Top w0.25: R62.1 108.52,60.68 109.5,61.65 v1(109.5,63.28)
  Bottom w0.25: J32.7 107.94,91.72 108.28,91.38 108.28,64.49 v1(109.5,63.28)
VIN3_8: length 33.6
  Top w0.25: v1(129.73,61.02) 129.1,61.02 R70.1
  Bottom w0.25: v1(129.73,61.02) 129.73,90.25 128.26,91.72 J33.7
VIN3_9: length 33.3
  Top w0.25: v1(150.03,61.71) 150.03,61.55 149.17,60.68 R78.1
  Bottom w0.25: v1(150.03,61.71) 149.48,62.26 149.48,90.83 148.58,91.72 J34.7
VIN3_10: length 33.3
  Top w0.25: v1(170.38,61.54) 169.52,60.68 R86.1
  Bottom w0.25: J35.7 168.9,91.72 169.22,91.4 169.22,62.71 v1(170.38,61.54)
VIN3_11: length 33.2
  Top w0.25: v1(190.66,61.82) 190.66,61.59 189.75,60.68 R94.1
  Bottom w0.25: v1(190.66,61.82) 189.92,62.56 189.92,91.02 189.22,91.72 J36.7
VIN3_12: length 36.4
  Top w0.25: v1(89.03,39.46) R102.1
  Bottom w0.25: v1(89.03,39.46) 91.59,36.9 91.59,12.22 87.62,8.26 J37.8
VIN3_13: length 34.8
  Top w0.25: v1(109.32,39.48) R110.1
  Bottom w0.25: J38.8 107.94,8.26 110.08,10.4 110.08,38.73 v1(109.32,39.48)
VIN3_14: length 34.8
  Top w0.25: v1(129.66,39.47) R118.1
  Bottom w0.25: J39.8 128.26,8.26 130.39,10.39 130.39,38.74 v1(129.66,39.47)
VIN3_15: length 34.5
  Top w0.25: v1(149.97,39.48) R126.1
  Bottom w0.25: v1(149.97,39.48) 150.34,39.11 150.34,10.01 148.58,8.26 J40.8
VIN3_16: length 34.5
  Top w0.25: v1(170.29,39.5) R174.1
  Bottom w0.25: J41.8 168.9,8.26 170.63,9.99 170.63,39.16 v1(170.29,39.5)
VIN3_17: length 34.8
  Top w0.25: R166.1 190.65,39.44 v1(190.65,38.94)
  Bottom w0.25: v1(190.65,38.94) 191.35,38.24 191.35,10.38 189.22,8.26 J42.8
VIN3_18: length 16.9
  Top w0.25: R182.1 89.25,18.92 89.25,8.39 88.8,7.94 88.8,6.52 87.99,5.72 87.62,5.72 J37.7
VIN3_19: length 16.9
  Top w0.25: J38.7 107.94,5.72 108.31,5.72 109.12,6.52 109.12,7.94 109.62,8.45 109.62,18.86 R190.1
VIN3_20: length 16.9
  Top w0.25: J39.7 128.26,5.72 128.63,5.72 129.44,6.52 129.44,7.94 129.94,8.44 129.94,18.87 R158.1
VIN3_21: length 16.6
  Top w0.25: R134.1 150.24,18.63 150.24,7.9 149.76,7.41 149.76,6.52 148.95,5.72 148.58,5.72 J40.7
VIN3_22: length 16.9
  Top w0.25: J41.7 168.9,5.72 169.27,5.72 170.08,6.52 170.08,7.74 170.56,8.23 170.56,18.91 R142.1
VIN3_23: length 16.9
  Top w0.25: J42.7 189.22,5.72 189.59,5.72 190.4,6.52 190.4,7.93 190.85,8.39 190.85,18.92 R150.1